# Altium PCB ovo.pcbdoc (part 1 of 3)
Units mil, origin at the board's own origin, x right, y up, seen from the top; angles counter-clockwise.
Board outline 8690 x 8044.71 mil, 6 copper layers (Top Layer, Inner1, Inner2, Inner3, 内层4, Bottom Layer); 83 components, 122 nets, 754 pads, 365 vias.
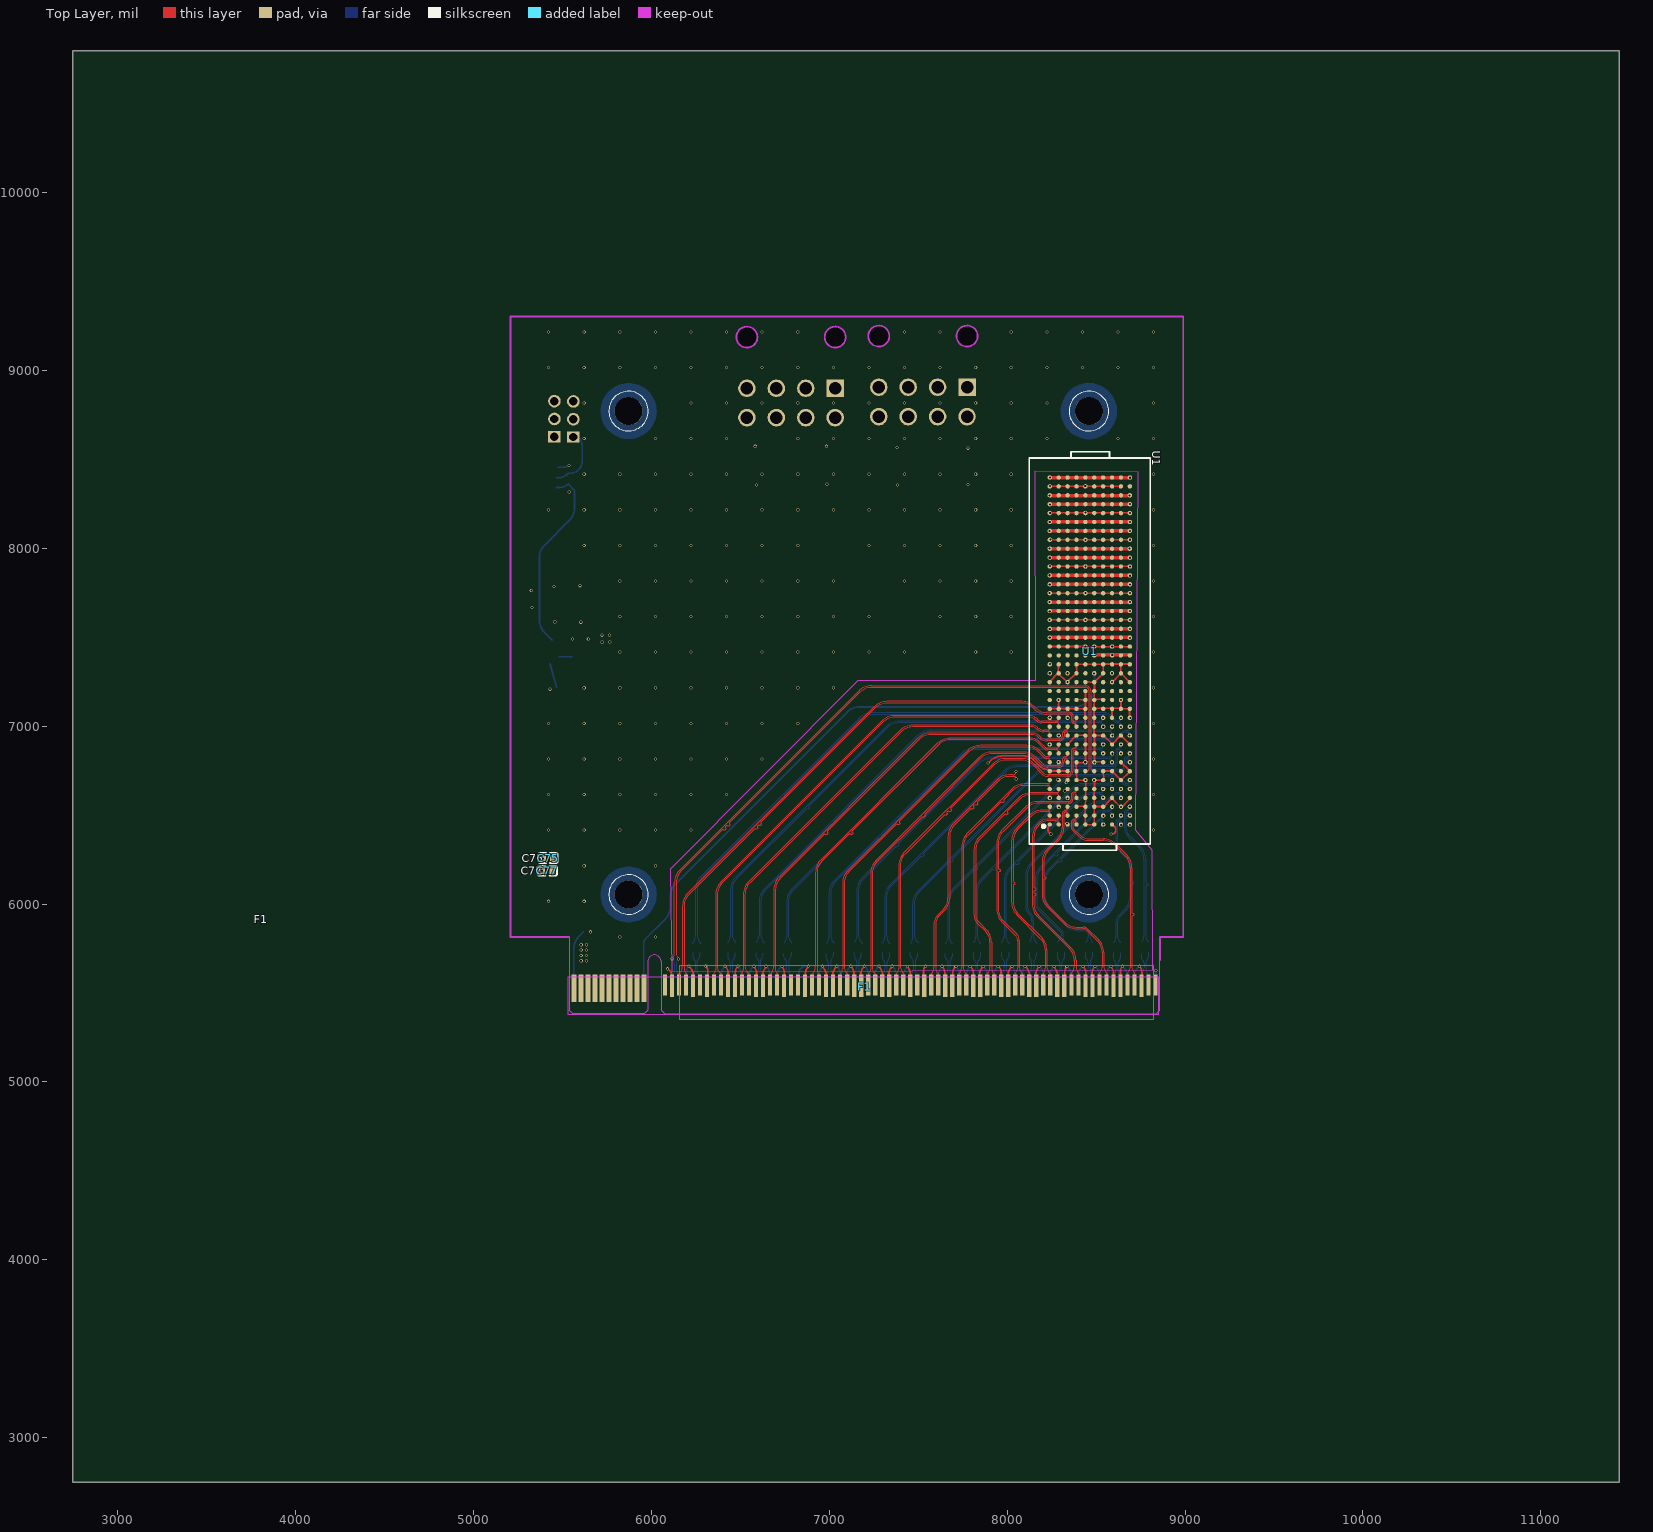
[diagram p0: Top Layer view]
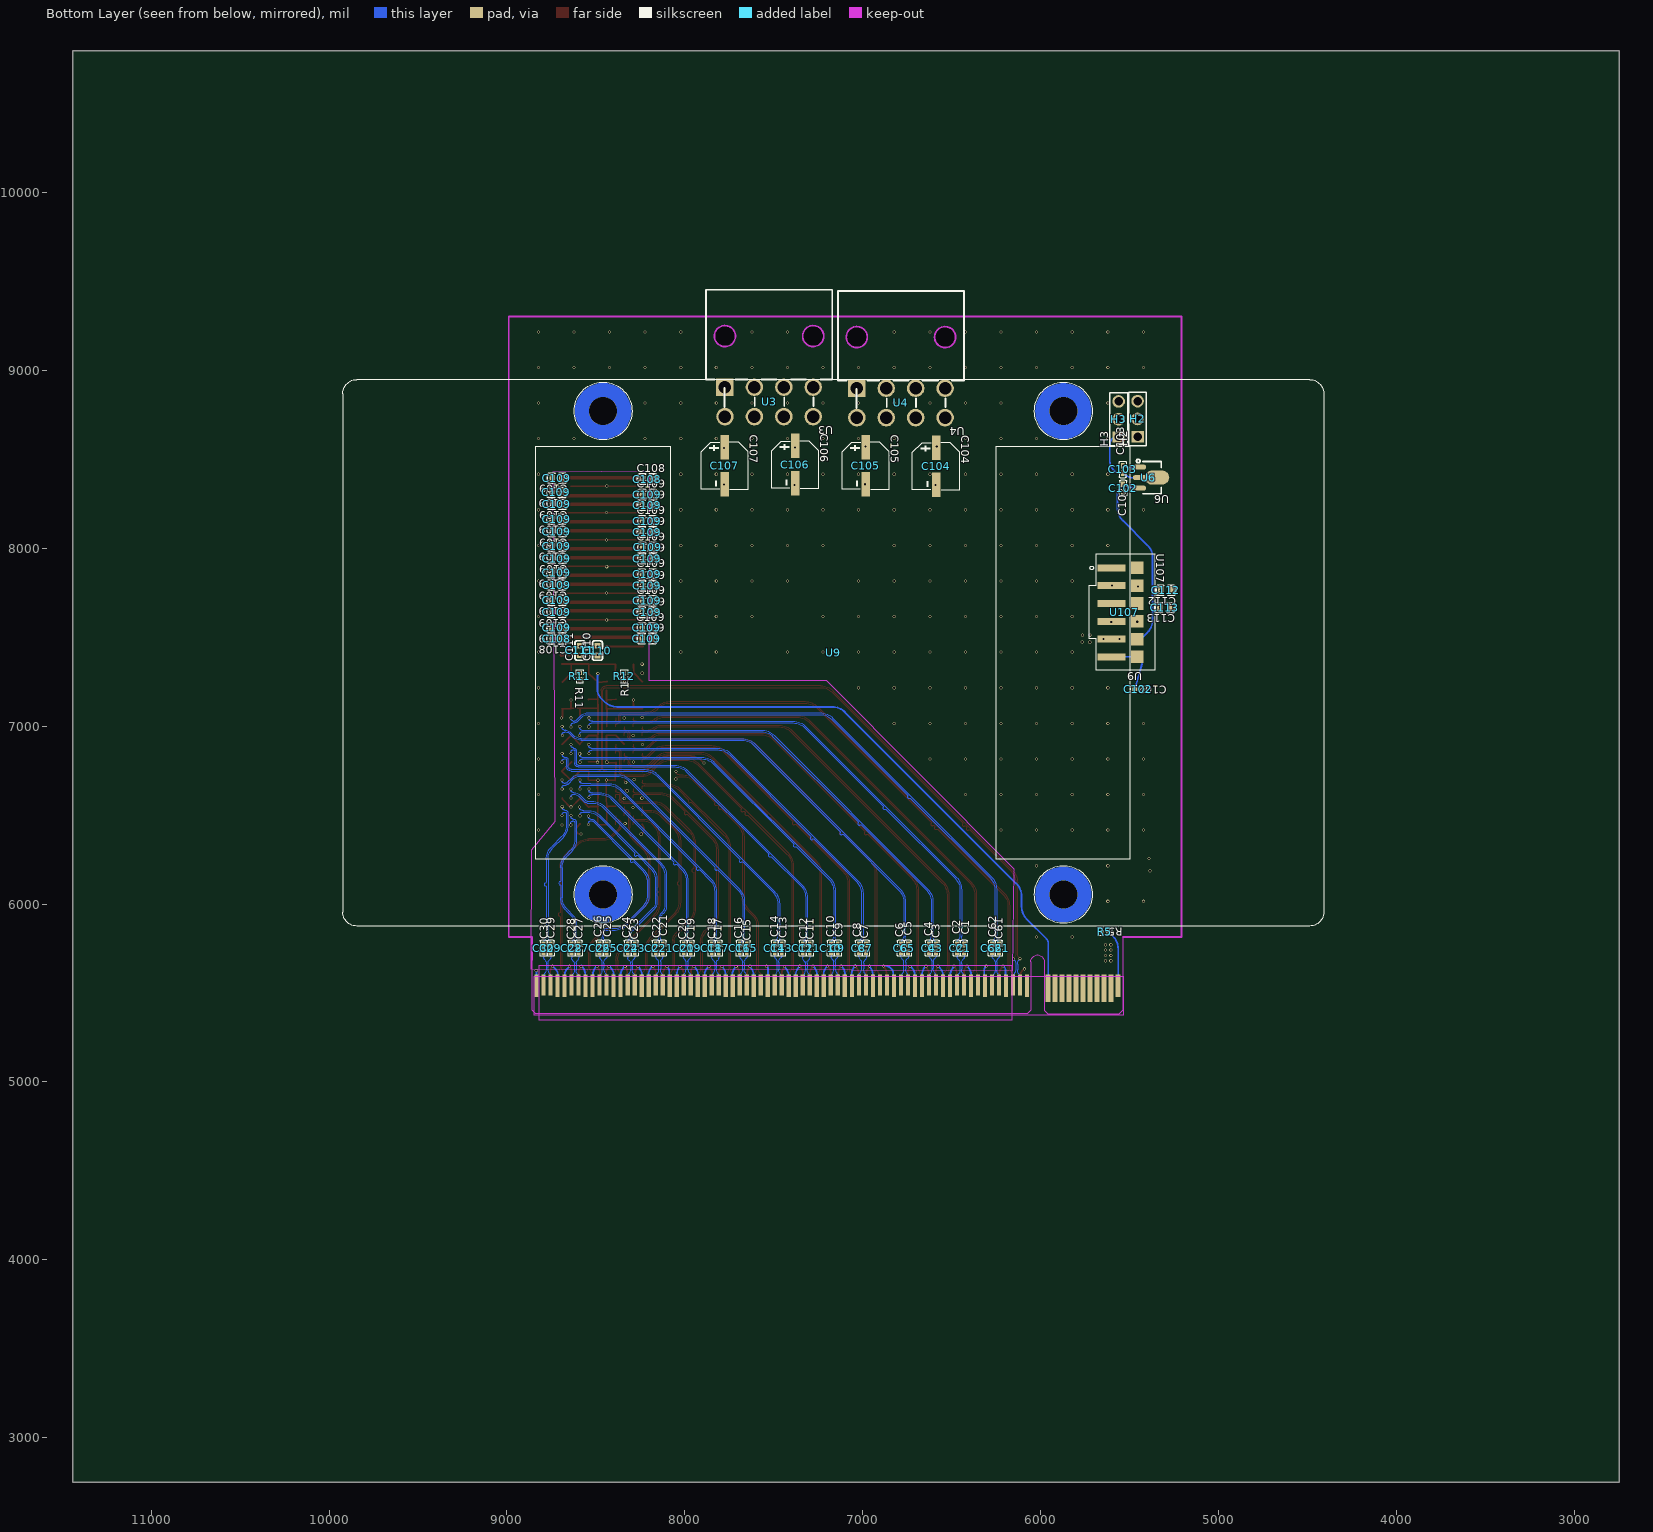
[diagram p1: Bottom Layer view, seen from below]
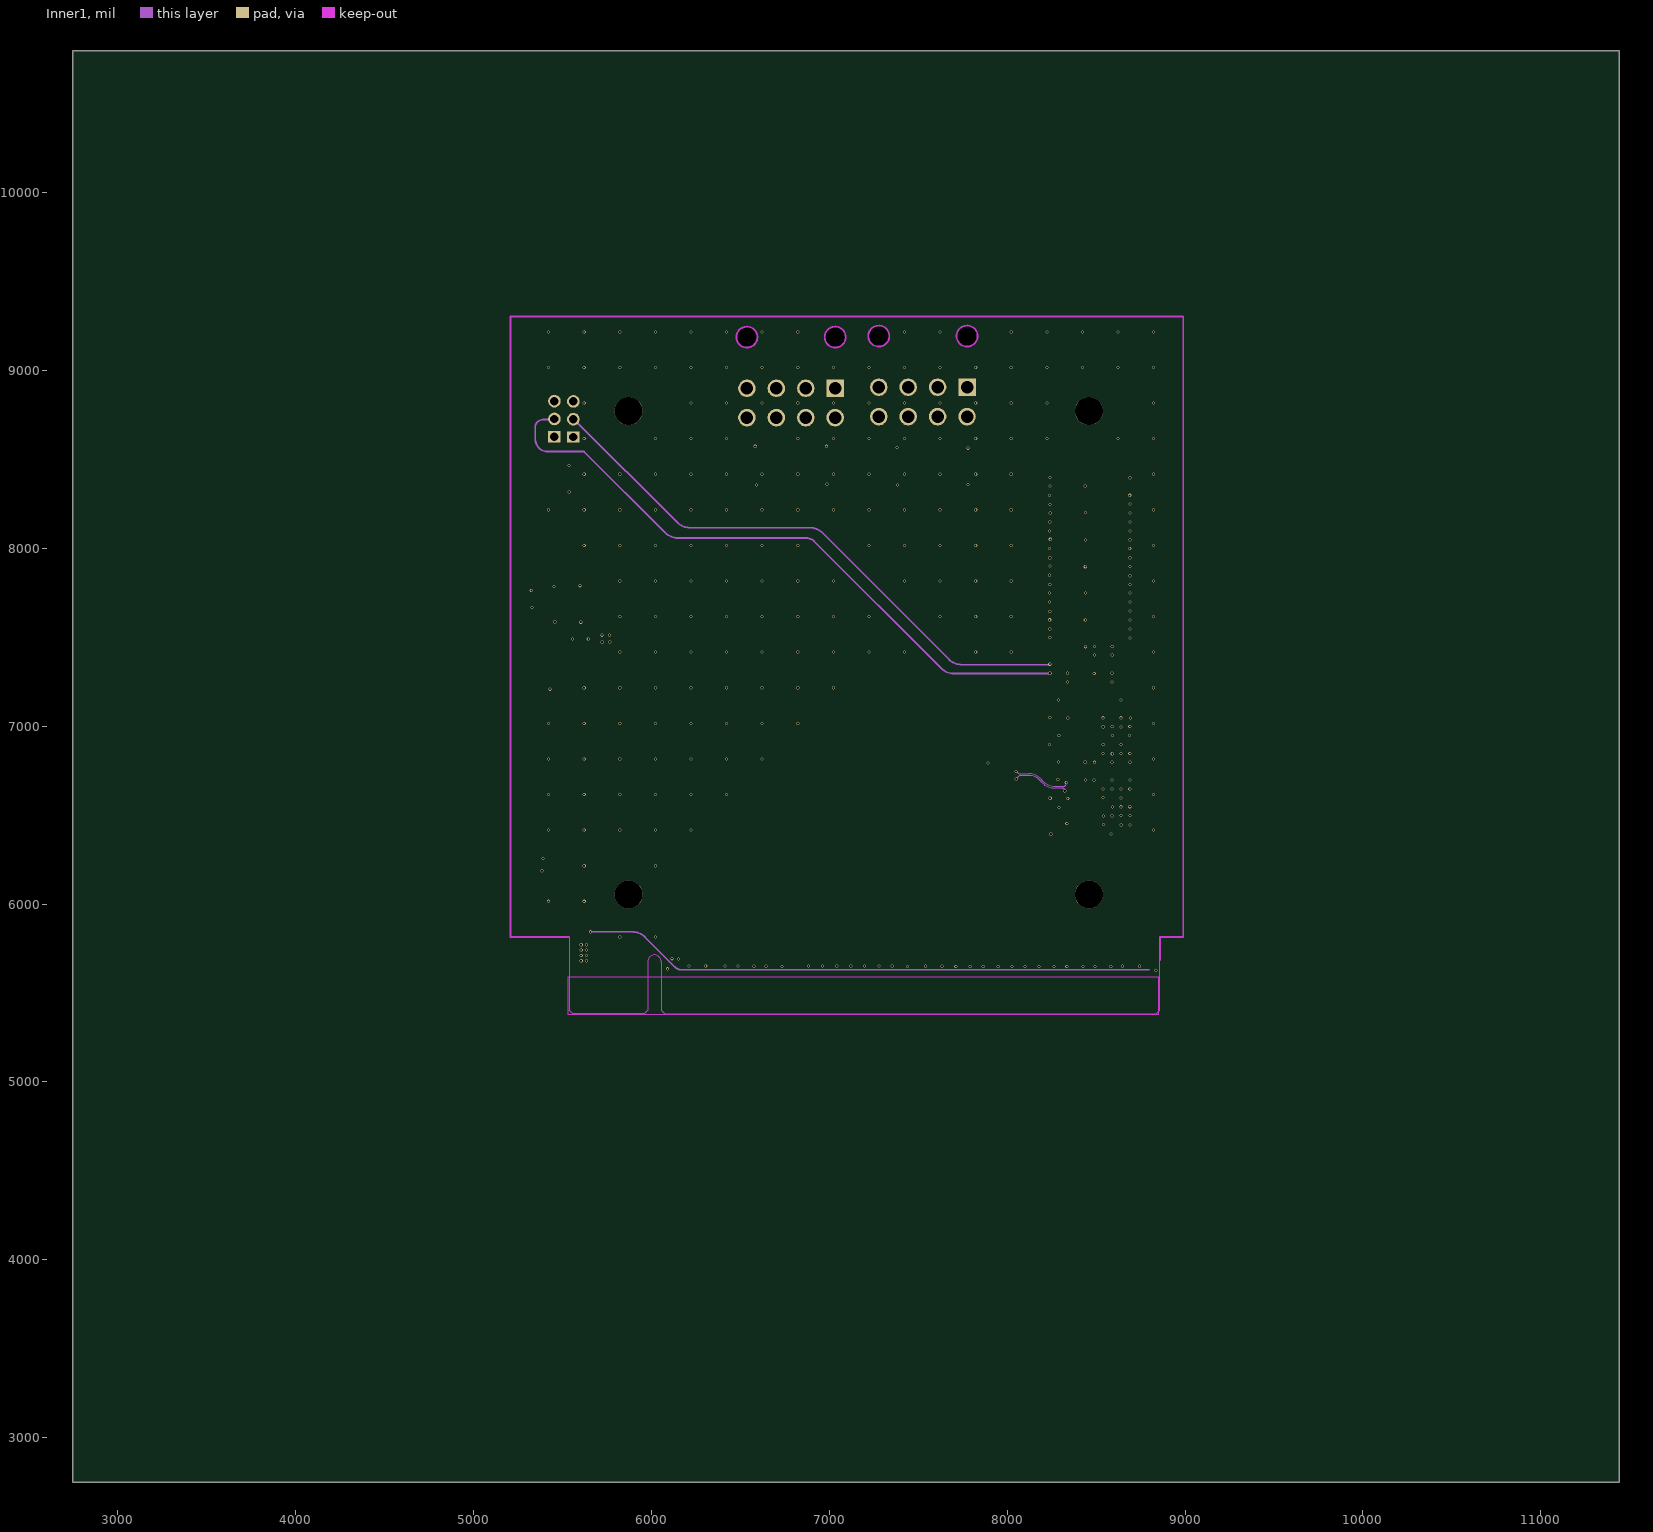
[diagram p2: Inner1]
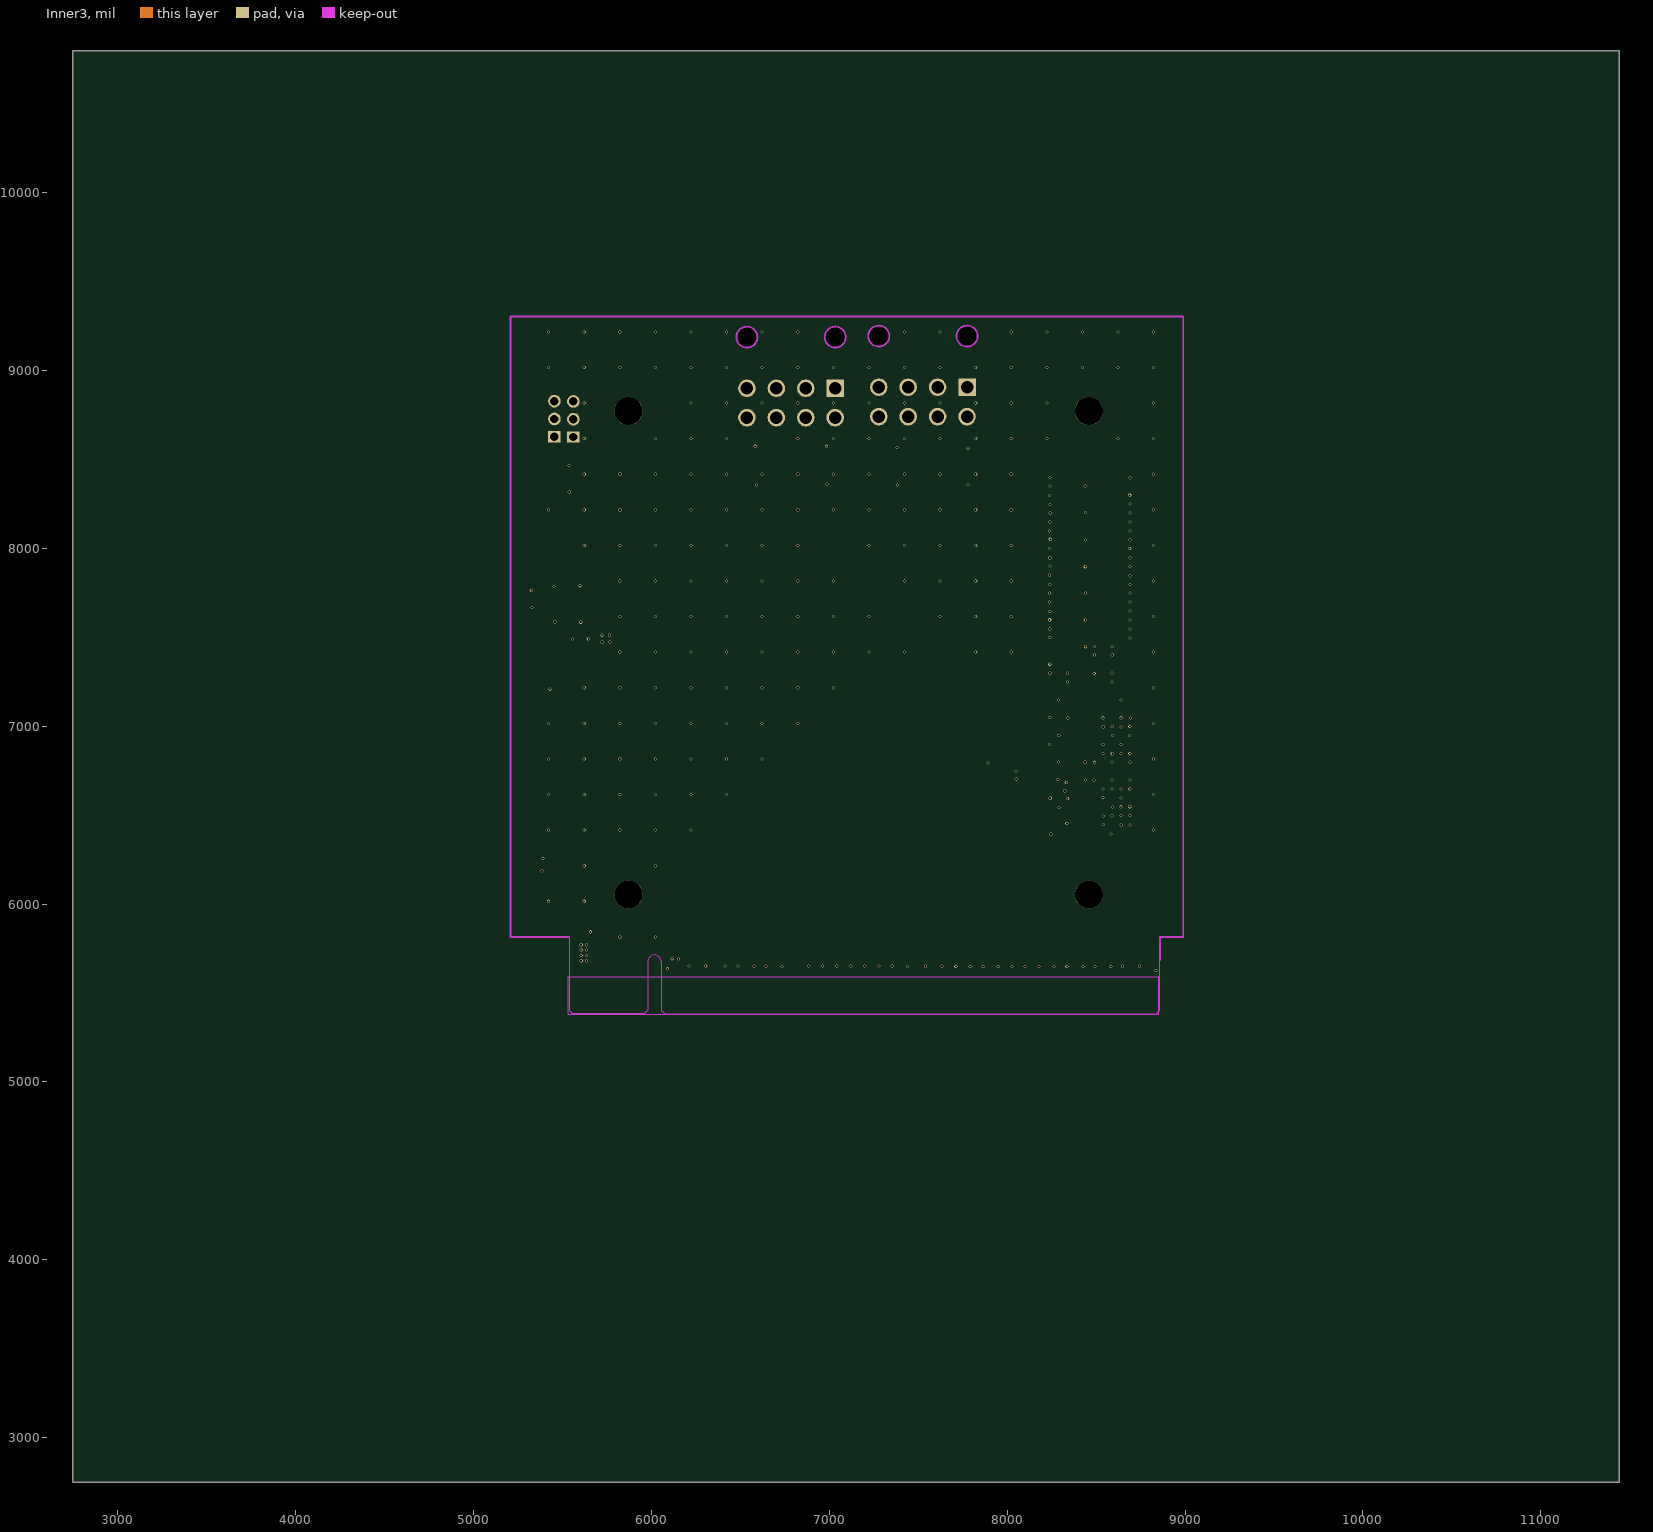
[diagram p3: Inner3]
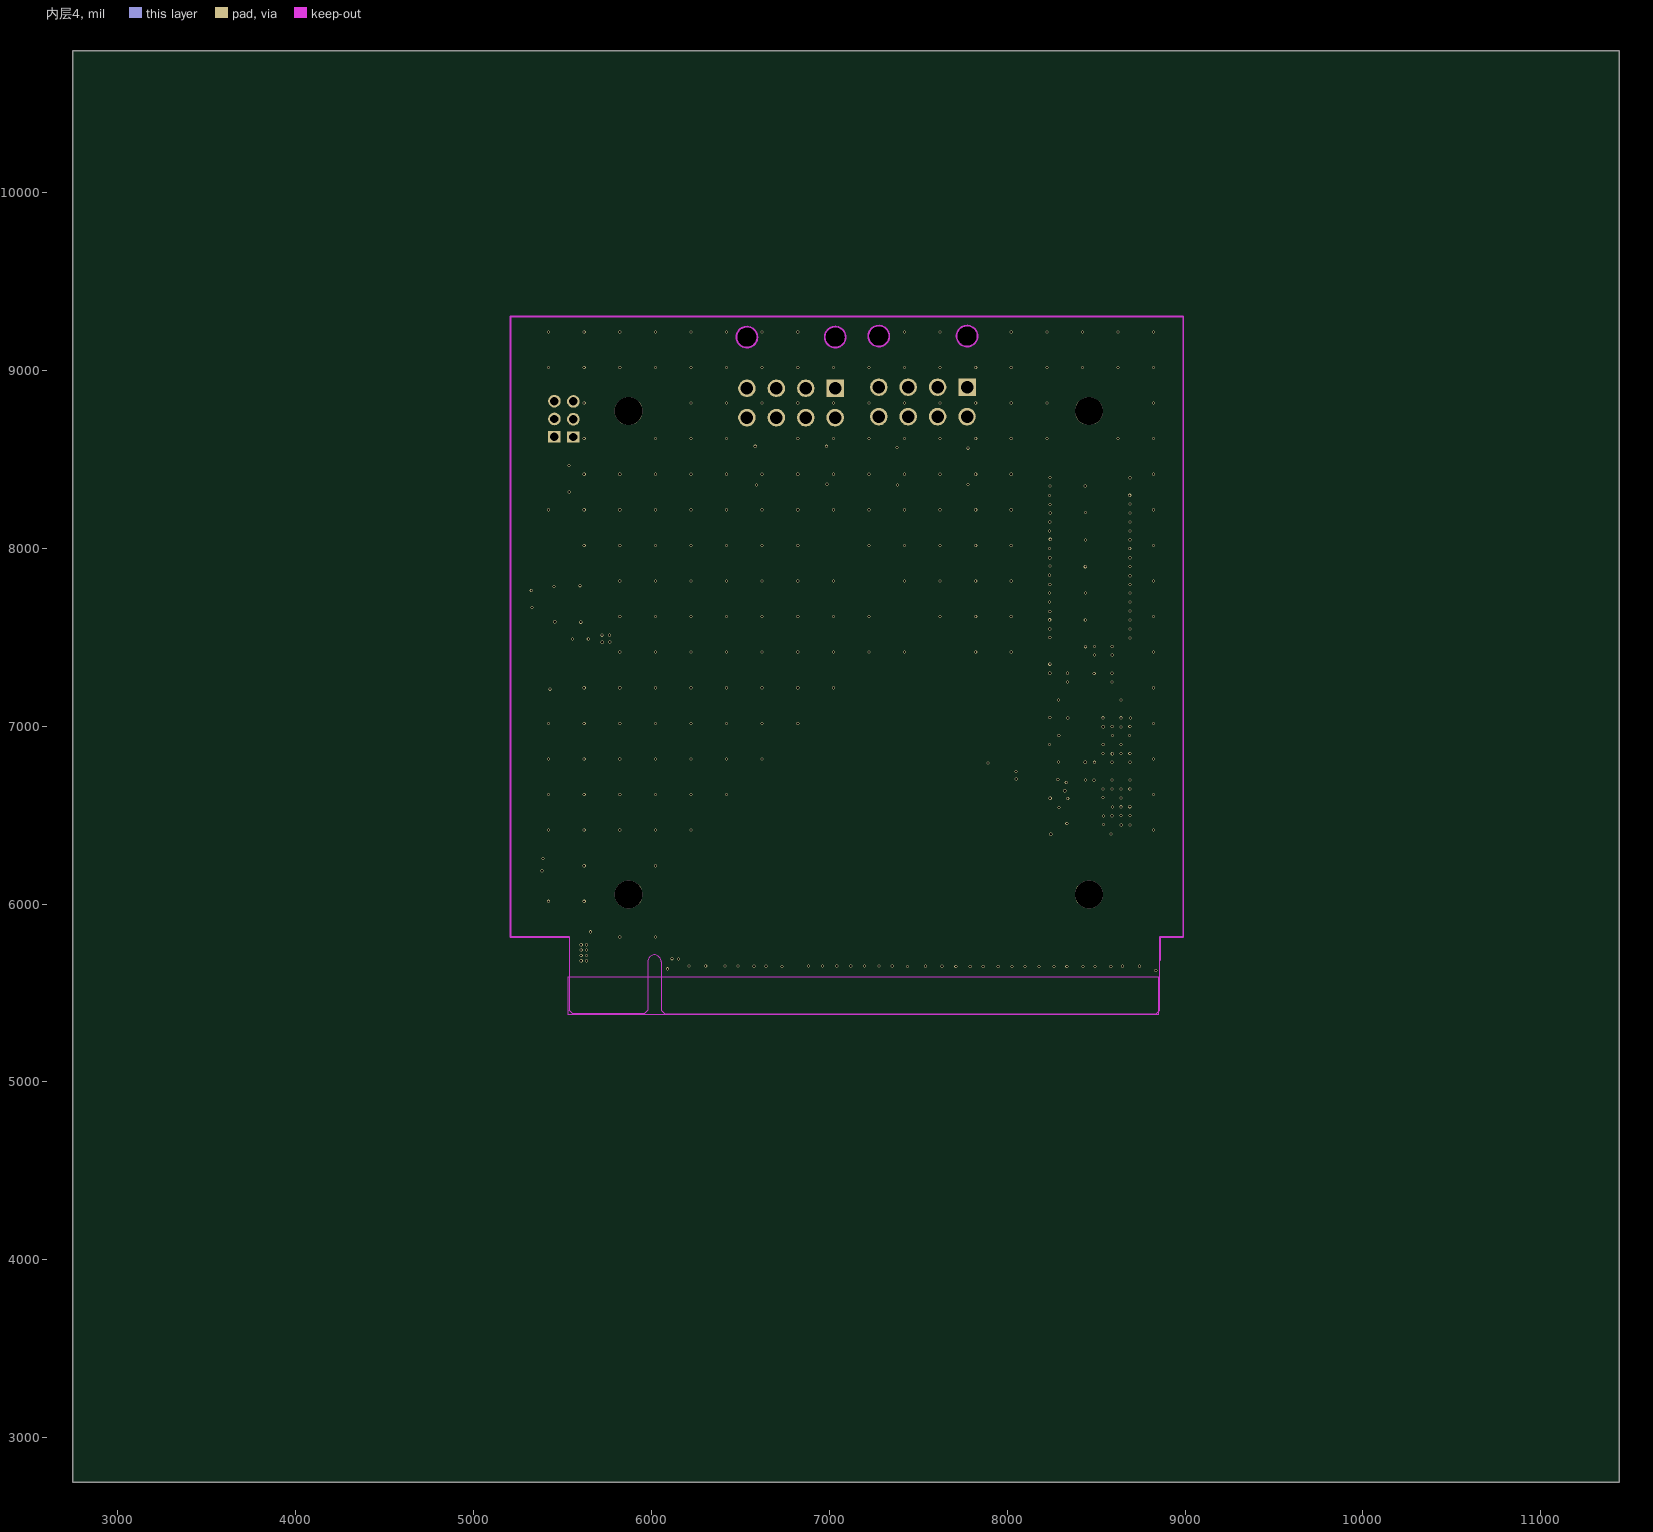
[diagram p4: 内层4]

## Layer stack, top to bottom
Top Layer: signal copper (thickness not stored)
Dielectric: dielectric 12.6, FR-4, Dk 4.8
Inner1: signal copper (thickness not stored)
Dielectric: dielectric 12.6, FR-4, Dk 4.8
Inner2: signal copper (thickness not stored)
Dielectric: dielectric 12.6, FR-4, Dk 4.8
Inner3: signal copper (thickness not stored)
Dielectric: dielectric 12.6, FR-4, Dk 4.8
内层4: signal copper (thickness not stored)
Dielectric: dielectric 12.6, FR-4, Dk 4.8
Bottom Layer: signal copper (thickness not stored)

## Board outline
11440,2750 2750,2750 2750,10794.71 11440,10794.71

## Design rules (kind name [scope] priority, off if disabled: settings)
BoardOutlineClearance copperThickness1oz [All] p0: genericclearance=10 ignorepadtopadclearanceinfootprint=FALSE except(0: Arc-SplitContinuation Track-SplitContinuation SMDPad-SplitContinuation THPad-SplitContinuation Via-SplitContinuation Fill-SplitContinuation Poly-SplitContinuation Region-SplitContinuation Text-SplitContinuation; 6: Track-CutoutEdge SMDPad-CutoutEdge THPad-CutoutEdge Via-CutoutEdge Region-CutoutEdge; 11.8: Track-OutlineEdge SMDPad-OutlineEdge THPad-OutlineEdge Via-OutlineEdge Fill-OutlineEdge Region-OutlineEdge Poly-OutlineEdge Text-OutlineEdge Fill-CutoutEdge)
BoardOutlineClearance copperThickness2oz [All] p0: genericclearance=10 ignorepadtopadclearanceinfootprint=FALSE except(0: Arc-SplitContinuation Track-SplitContinuation SMDPad-SplitContinuation THPad-SplitContinuation Via-SplitContinuation Fill-SplitContinuation Poly-SplitContinuation Region-SplitContinuation Text-SplitContinuation; 6: Track-CutoutEdge SMDPad-CutoutEdge THPad-CutoutEdge Via-CutoutEdge Region-CutoutEdge; 11.8: Track-OutlineEdge SMDPad-OutlineEdge THPad-OutlineEdge Via-OutlineEdge Fill-OutlineEdge Region-OutlineEdge Poly-OutlineEdge Text-OutlineEdge Fill-CutoutEdge)
Clearance copperThickness1oz [(InNet('GND') OR InNet('+12V') OR InNet('CLK+') OR InNet('CLK-') OR InNet('RX0-') OR InNet('RX15+') OR InNet('RX15-') OR InNet('RX11-') OR InNet('RX7-') OR InNet('RX0+') OR InNet('RX7+') OR InNet('RX11+') OR InNet('RX14-') OR InNet('RX14+') OR InNet('RX6-') OR InNet('RX3+') OR InNet('RX3-') OR InNet('RX6+') OR InNet('RX10-') OR InNet('RX4-') OR InNet('RX13+') OR InNet('RX13-') OR InNet('RX1-') OR InNet('RX1+') OR InNet('RX4+') OR InNet('RX10+') OR InNet('RX2+') OR InNet('RX2-') OR InNet('RX9-') OR InNet('RX12+') OR InNet('RX9+') OR InNet('RX12-') OR InNet('RX5-') OR InNet('RX5+') OR InNet('RX8+') OR InNet('RX8-') OR InNet('+3V3') OR InNet('+5V') OR InNet('TX8-') OR InNet('TX3+') OR InNet('TX15+') OR InNet('TX7+') OR InNet('TX8+') OR InNet('TX3-') OR InNet('TX7-') OR InNet('TX15-') OR InNet('TX0-') OR InNet('TX11+') OR InNet('TX14-') OR InNet('TX0+') OR InNet('TX6-') OR InNet('TX6+') OR InNet('TX11-') OR InNet('TX14+') OR InNet('TX2-') OR InNet('TX2+') OR InNet('TX5-') OR InNet('TX12+') OR InNet('TX12-') OR InNet('TX9+') OR InNet('TX9-') OR InNet('TX5+') OR InNet('TX1-') OR InNet('TX1+') OR InNet('TX4-') OR InNet('TX10+') OR InNet('TX13-') OR InNet('TX4+') OR InNet('TX10-') OR InNet('TX13+') OR InNet('PCIET0+') OR InNet('PCIET0-') OR InNet('PCIET1+') OR InNet('PCIET1-') OR InNet('PCIET2+') OR InNet('PCIET2-') OR InNet('PCIET3+') OR InNet('PCIET3-') OR InNet('PCIET4+') OR InNet('PCIET4-') OR InNet('PCIET5+') OR InNet('PCIET5-') OR InNet('PCIET6+') OR InNet('PCIET6-') OR InNet('PCIET7+') OR InNet('PCIET7-') OR InNet('PCIET8+') OR InNet('PCIET8-') OR InNet('PCIET9+') OR InNet('PCIET9-') OR InNet('PCIET10+') OR InNet('PCIET10-') OR InNet('PCIET11+') OR InNet('PCIET11-') OR InNet('PCIET12+') OR InNet('PCIET12-') OR InNet('PCIET13+') OR InNet('PCIET13-') OR InNet('PCIET14+') OR InNet('PCIET14-') OR InNet('PCIET15+') OR InNet('PCIET15-') OR InNet('SXM_PRSNT2') OR InNet('PRSNT2#_SXM') OR InNet('I2CADDR0') OR InNet('PERST#') OR InNet('JTAG_TDI') OR InNet('JTAG_TDO') OR InNet('JTAG_TCLK') OR InNet('I2CADDR1') OR InNet('JTAG_SEL') OR InNet('JTAG_TMS') OR InNet('PWR_EN') OR InNet('THERM_OVER#') OR InNet('JTAG_TRST#') OR InNet('PRSNT2') OR InNet('PRSNT1') OR InNet('PWR_GOOD') OR InNet('PWR_BRAKE#') OR InNet('+1V8') OR InNet('EN') OR InNet('ADJ'))] p1: gap=7 ignorepadtopadclearanceinfootprint=FALSE except(4: Track-Track Track-SMDPad Track-THPad Track-Via; 6: SMDPad-SMDPad SMDPad-THPad THPad-THPad SMDPad-Via THPad-Via Via-Via SMDPad-Fill THPad-Fill Via-Fill Fill-Fill Track-Region SMDPad-Region THPad-Region Via-Region Region-Region Track-Poly SMDPad-Poly THPad-Poly Via-Poly Fill-Poly Region-Poly Poly-Poly Track-Text SMDPad-Text THPad-Text Via-Text Fill-Text Region-Text Poly-Text Text-Text; 6.9: Track-Hole SMDPad-Hole THPad-Hole Via-Hole Fill-Hole Region-Hole Poly-Hole Text-Hole Sheet-Hole; 11.8: Track-Fill Fill-Region Track-Sheet SMDPad-Sheet THPad-Sheet Via-Sheet Fill-Sheet Region-Sheet Poly-Sheet Text-Sheet)